# Allegro board SG2042_EVB_V2_0.brd (continued)
## Routing (per net, layer and track width the routed paths; a pad name or vN(x,y) marks a point on that pad's centre or on a via; arc(x,y) is an arc through that point) (continued)
  ART03 w0.102: v1(18.16,278.38) 19.02,279.25 19.02,282.35 17.25,284.12 17.25,287.77 21.53,292.06 21.68,292.06 22.07,291.66 22.22,291.66 22.36,291.81 22.36,291.95 21.96,292.35 21.96,292.49 22.11,292.64 22.25,292.64 22.65,292.24 22.79,292.24 22.94,292.38 22.94,292.53 22.54,292.92 22.54,293.07 22.79,293.32 36.91,293.32 38.01,294.41 70.41,294.41 113.75,251.07 v1(113.75,249.05)
SDIO_PWR_EN: length 126.4
  TOP w0.102: R52.1 v1(22.86,276.66) ; U1.D25 v1(112.75,246.05)
  ART03 w0.102: v1(112.75,246.05) 112.25,246.55 111.67,246.55 111.37,246.85 111.37,249.43 111.39,249.44 111.39,251.02 69.51,292.89 38.64,292.89 37.55,291.8 26.72,291.8 22.86,287.93 v1(22.86,276.66)
SDIO_RST_X: length 118
  TOP w0.102: U1.C25 v1(112.75,247.05) ; T7.1 v1(19.84,286.77)
  ART03 w0.102: v1(19.84,286.77) 21.34,286.77 26.62,292.05 37.44,292.05 38.53,293.14 69.88,293.14 112.12,250.91 112.12,249.44 112.14,249.42 112.14,247.66 v1(112.75,247.05)
SDIO_WP: length 118.2
  TOP w0.102: R41.1 v1(18.16,287.15) ; U1.A25 v1(112.75,249.05)
  ART03 w0.102: v1(18.16,287.15) 18.49,287.48 21.33,287.48 26.41,292.56 37.23,292.56 38.32,293.65 70.1,293.65 112.75,251 v1(112.75,249.05)
SI: length 14.6
  TOP w0.102: R12500.2 v1(144.25,58.39) ; R12502.2 v1(132.13,61.54)
  BOTTOM w0.102: v1(132.13,61.54) 132.74,60.93 141.71,60.93 v1(144.25,58.39)
SLOT1_3V3: length 9
  TOP w0.254: C5750.1 53.9,108.18 ; C5750.1 53.47,107.75 ; C5750.1 53.47,108.61
  TOP w0.381: J2033.B8 52.6,95.51 C5751.1 C5753.1 v1(52.6,93.7)
  TOP w0.686: J2033.A9 53.6,107.37 ; J2033.A10 54.6,107.37
  vias: v1(53.47,107.57) v1(54.03,107.57)
SLOT1_12V: length 10.8
  TOP w0.254: 47.27,108.18 C5747.1 ; C5747.1 47.7,108.61 ; C5747.1 47.7,107.75 ; C5746.1 47.7,95.94 ; C5746.1 47.27,95.5 ; C5746.1 47.7,95.07
  TOP w0.686: J2033.A3 47.6,107.37 ; J2033.B3 47.6,96.43 ; J2033.A2 46.6,107.37 ; J2033.B1 45.6,96.43 ; J2033.B2 46.6,96.43
  vias: v1(45.97,95.5) v1(46.53,107.57) v1(46.53,95.5) v1(47.09,107.57) v1(47.09,95.5) v1(47.65,107.57)
SLOT1_PCIE_CLK0_N: length 3.6
  TOP w0.081: R12938.2 60.54,108.19 R12879.2 60.22,107.84 60.22,107.45 60.6,107.07 J2033.A14
SLOT1_PCIE_CLK0_P: length 3.6
  TOP w0.081: J2033.A13 59.6,107.07 59.98,107.45 59.98,107.86 R12880.2 59.68,108.19 R12932.2
SLOT1_PCIE_RX0_N: length 100.1
  TOP w0.114: U3235.AC21 139.66,75.41
  TOP w0.381: J2033.A17 63.6,107.06 63.41,107.26
  ART12 w0.107: 139.66,75.41 139.66,75.16 139.23,74.73 134.34,74.73 132.38,76.68 109.73,76.68 97.62,88.79 68.96,88.79 63.72,94.03 63.72,101.7 63.22,102.2 63.22,107.07 63.41,107.26
SLOT1_PCIE_RX0_P: length 100.1
  TOP w0.114: U3235.AC22 139.66,74.61
  TOP w0.381: 62.8,107.26 62.6,107.06 J2033.A16
  ART12 w0.107: 139.66,74.61 139.54,74.49 134.24,74.49 132.29,76.45 109.63,76.45 97.53,88.55 68.86,88.55 63.48,93.93 63.48,101.6 62.98,102.1 62.98,107.07 62.8,107.26
SLOT1_PCIE_RX1_N: length 94.8
  TOP w0.114: U3235.AD19 138.06,77.01
  TOP w0.381: 68.4,107.26 68.6,107.06 J2033.A22
  ART12 w0.107: 68.4,107.26 68.22,107.07 68.22,94.03 72.42,89.83 98.06,89.83 110.16,77.72 132.82,77.72 134.72,75.82 135.76,75.82 136.11,76.17 136.51,76.17 arc(136.67,76.24) 136.74,76.4 arc(136.81,76.56) 136.97,76.63 136.98,76.63 arc(137.14,76.56) 137.21,76.4 arc(137.27,76.24) 137.43,76.17 137.9,76.17 138.45,76.73 138.45,76.91 138.35,77.01 138.06,77.01
SLOT1_PCIE_RX1_P: length 94.8
  TOP w0.114: U3235.AD20 138.86,77.01
  TOP w0.381: J2033.A21 67.6,107.06 67.8,107.26
  ART12 w0.107: 138.86,77.01 138.68,76.83 138.68,76.63 137.99,75.94 136.21,75.94 135.85,75.59 134.62,75.59 132.72,77.49 110.06,77.49 97.96,89.59 72.32,89.59 67.98,93.93 67.98,107.07 67.8,107.26
SLOT1_PCIE_RX2_N: length 89.9
  TOP w0.114: U3235.AC17 139.66,78.61
  TOP w0.381: 72.4,107.26 72.6,107.06 J2033.A26
  ART12 w0.107: 139.66,78.61 139.11,78.06 138.88,78.06 138.68,78.25 138.37,78.25 138.18,78.06 136.24,78.06 135.53,78.77 110.59,78.77 98.49,90.87 75.38,90.87 72.22,94.03 72.22,107.07 72.4,107.26
SLOT1_PCIE_RX2_P: length 89.9
  TOP w0.114: U3235.AC18 139.66,77.81
  TOP w0.381: 71.8,107.26 71.6,107.06 J2033.A25
  ART12 w0.107: 139.66,77.81 139.65,77.83 136.14,77.83 135.43,78.53 110.49,78.53 98.39,90.63 75.28,90.63 71.98,93.93 71.98,107.07 71.8,107.26
SLOT1_PCIE_RX3_N: length 85
  TOP w0.114: U3235.AD15 138.86,80.21
  TOP w0.381: 76.4,107.26 76.6,107.06 J2033.A30
  ART12 w0.107: 138.86,80.21 138.58,80.5 138.58,80.85 138.3,81.13 136.34,81.13 135.83,81.64 134.62,81.64 132.79,79.81 111.02,79.81 98.92,91.91 79.34,91.91 77.22,94.03 77.22,101.45 76.22,102.45 76.22,107.07 76.4,107.26
SLOT1_PCIE_RX3_P: length 85
  TOP w0.114: U3235.AD16 138.06,80.21
  TOP w0.381: J2033.A29 75.6,107.06 75.8,107.26
  ART12 w0.107: 75.8,107.26 75.98,107.07 75.98,102.35 76.98,101.35 76.98,93.93 79.24,91.68 98.82,91.68 110.93,79.57 132.89,79.57 134.72,81.41 135.74,81.41 136.25,80.9 138.2,80.9 138.35,80.75 138.35,80.5 138.06,80.21
SLOT1_PCIE_TX0_N: length 87
  TOP w0.114: U3235.AE21 138.06,75.41
  TOP w0.254: C5756.2 61.4,94.74
  ART05 w0.107: 61.4,94.74 61.22,94.55 61.22,94.03 66.98,88.27 97.41,88.27 109.02,76.66 132.88,76.66 133.7,75.84 135.78,75.84 136.27,76.33 137.54,76.33 137.78,76.09 137.78,75.7 138.06,75.41
SLOT1_PCIE_TX0_P: length 87
  TOP w0.114: U3235.AE22 137.26,75.41
  TOP w0.254: C5766.2 60.79,94.74
  ART05 w0.107: 60.79,94.74 60.98,94.55 60.98,93.93 66.89,88.03 97.31,88.03 108.92,76.42 132.79,76.42 133.6,75.61 135.88,75.61 136.36,76.1 137.44,76.1 137.55,75.99 137.55,75.7 137.26,75.41
SLOT1_PCIE_TX1_N: length 79.6
  TOP w0.114: 135.08,77.32 135.26,77.13 136.58,77.13 U3235.AF19
  TOP w0.254: C5772.2 66.4,94.74
  ART05 w0.107: 66.4,94.74 66.22,94.55 66.22,94.03 66.6,93.65 arc(66.72,93.6) 66.84,93.65 arc(66.96,93.7) 67.08,93.65 67.18,93.54 arc(67.23,93.42) 67.18,93.3 arc(67.14,93.18) 67.18,93.06 70.94,89.31 97.84,89.31 109.45,77.7 133.32,77.7 133.88,77.13 134.89,77.13 135.08,77.32
SLOT1_PCIE_TX1_P: length 79.6
  TOP w0.114: U3235.AF20 136.58,76.89 135.26,76.89 135.08,76.71
  TOP w0.254: C5759.2 65.8,94.74
  ART05 w0.107: 135.08,76.71 134.89,76.9 133.79,76.9 133.22,77.46 109.35,77.46 97.74,89.07 70.84,89.07 65.98,93.93 65.98,94.55 65.8,94.74
SLOT1_PCIE_TX2_N: length 76.9
  TOP w0.114: U3235.AE17 137.66,79.01 138.06,78.61
  TOP w0.254: C5779.2 70.4,94.74
  ART05 w0.107: 138.06,78.61 137.78,78.9 137.78,79.29 137.54,79.53 136.27,79.53 135.48,78.74 109.88,78.74 98.27,90.35 73.9,90.35 70.22,94.03 70.22,94.55 70.4,94.74
SLOT1_PCIE_TX2_P: length 76.9
  TOP w0.114: U3235.AE18 137.26,78.61
  TOP w0.254: C5778.2 69.8,94.74
  ART05 w0.107: 69.8,94.74 69.98,94.55 69.98,93.93 73.8,90.11 98.18,90.11 109.78,78.51 135.57,78.51 136.36,79.3 137.44,79.3 137.55,79.19 137.55,78.9 137.26,78.61
SLOT1_PCIE_TX3_N: length 70.7
  TOP w0.114: U3235.AF15 136.58,80.33 135.26,80.33 135.08,80.52
  TOP w0.254: C5783.2 74.4,94.74
  ART05 w0.107: 135.08,80.52 134.89,80.33 133.79,80.33 133.24,79.78 110.31,79.78 98.7,91.39 76.86,91.39 75.18,93.06 arc(75.14,93.18) 75.18,93.3 arc(75.23,93.42) 75.18,93.54 75.08,93.65 arc(74.96,93.7) 74.84,93.65 arc(74.72,93.6) 74.6,93.65 74.22,94.03 74.22,94.55 74.4,94.74
SLOT1_PCIE_TX3_P: length 70.7
  TOP w0.114: U3235.AF16 136.58,80.09 135.26,80.09 135.08,79.91
  TOP w0.254: C5782.2 73.8,94.74
  ART05 w0.107: 73.8,94.74 73.98,94.55 73.98,93.93 76.76,91.16 98.61,91.16 110.22,79.55 133.33,79.55 133.88,80.1 134.89,80.1 135.08,79.91
SLOT1_SCL: length 84.5
  TOP w0.102: R12700.2 v1(109.42,67.64) ; J2033.B5 v1(49.6,96.54)
  ART03 w0.102: v1(49.6,96.54) 50.4,95.75 50.4,95.37 51.84,93.93 51.84,81.31 54.1,79.04 54.1,75.11 56.08,73.13 58.33,73.13 59.53,71.93 105.13,71.93 v1(109.42,67.64)
  BOTTOM w0.102: R12700.2 v1(109.42,67.64)
SLOT1_SDA: length 83.5
  TOP w0.102: J2033.B6 v1(50.6,96.54) ; R12701.2 v1(109.42,68.5)
  ART03 w0.102: v1(50.6,96.54) 50.6,95.46 52.04,94.01 52.04,81.39 54.31,79.13 54.31,75.19 56.17,73.33 58.42,73.33 59.61,72.14 105.79,72.14 v1(109.42,68.5)
  BOTTOM w0.102: R12701.2 v1(109.42,68.5)
SLOT2_3V3: length 9
  TOP w0.254: 53.47,67.11 C5762.1 ; C5762.1 53.9,67.54 ; C5762.1 53.47,67.97
  TOP w0.381: v1(52.6,53.06) C5765.1 C5763.1 52.6,54.87 J2034.B8
  TOP w0.686: J2034.A10 54.6,66.73 ; J2034.A9 53.6,66.73
  vias: v1(53.47,66.93) v1(54.03,66.93)
SLOT2_12V: length 10.8
  TOP w0.254: C5754.1 47.7,55.3 ; C5754.1 47.7,54.43 ; C5754.1 47.27,54.86 ; C5755.1 47.7,67.97 ; C5755.1 47.27,67.54 ; C5755.1 47.7,67.11
  TOP w0.686: J2034.B3 47.6,55.79 ; J2034.B1 45.6,55.79 ; J2034.A2 46.6,66.73 ; J2034.B2 46.6,55.79 ; J2034.A3 47.6,66.73
  vias: v1(45.97,54.86) v1(46.53,66.93) v1(46.53,54.86) v1(47.09,66.93) v1(47.09,54.86) v1(47.65,66.93)
SLOT2_PCIE_CLK3_N: length 3.6
  TOP w0.081: J2034.A14 60.6,66.43 60.22,66.81 60.22,67.2 R12881.2 60.54,67.55 R12934.2
SLOT2_PCIE_CLK3_P: length 3.6
  TOP w0.081: J2034.A13 59.6,66.43 59.98,66.81 59.98,67.22 R12882.2 59.68,67.55 R12931.2
SLOT2_PCIE_RX8_N: length 99.2
  TOP w0.114: U3235.P23 146.06,74.61
  TOP w0.381: J2034.A17 63.6,66.42 63.41,66.62
  ART12 w0.107: 63.41,66.62 63.22,66.43 63.22,66 64.62,64.59 98.63,64.59 104.03,59.19 122.89,59.19 127.18,63.47 140.33,63.47 144.48,67.62 arc(144.55,67.79) 144.48,67.96 144.3,68.14 arc(144.3,68.49) 144.64,68.49 144.82,68.31 arc(144.99,68.23) 145.17,68.31 145.95,69.09 145.95,74.5 146.06,74.61
SLOT2_PCIE_RX8_P: length 99.2
  TOP w0.114: U3235.N23 146.86,74.61
  TOP w0.381: J2034.A16 62.6,66.42 62.8,66.62
  ART12 w0.107: 62.8,66.62 62.98,66.43 62.98,65.9 64.52,64.36 98.53,64.36 103.94,58.95 122.99,58.95 127.27,63.24 140.43,63.24 146.18,68.99 146.18,74.03 146.76,74.61 146.86,74.61
SLOT2_PCIE_RX9_N: length 90.4
  TOP w0.114: U3235.T24 145.26,73.81
  TOP w0.381: 68.4,66.62 68.6,66.42 J2034.A22
  ART12 w0.107: 145.26,73.81 144.35,72.9 144.35,71.31 143.17,70.14 143.17,69.34 143.08,69.25 142.99,69.16 142.99,68.85 143.08,68.75 143.17,68.66 143.17,67.79 139.9,64.52 126.75,64.52 122.46,60.23 104.47,60.23 99.06,65.63 68.58,65.63 68.22,66 68.22,66.43 68.4,66.62
SLOT2_PCIE_RX9_P: length 90.4
  TOP w0.114: U3235.R24 145.26,73.01
  TOP w0.381: J2034.A21 67.6,66.42 67.8,66.62
  ART12 w0.107: 67.8,66.62 67.98,66.43 67.98,65.9 68.48,65.4 98.96,65.4 104.37,59.99 122.56,59.99 126.84,64.28 140,64.28 143.41,67.69 143.41,70.04 144.58,71.22 144.58,72.8 144.79,73.01 145.26,73.01
SLOT2_PCIE_TX8_N: length 100.4
  TOP w0.114: U3235.P25 146.86,73.01
  TOP w0.254: C5768.2 61.4,54.1
  ART05 w0.107: 146.86,73.01 146.86,72.84 146.76,72.73 146.31,72.73 145.95,72.36 145.95,67.08 134.75,55.89 89.21,55.89 85.22,51.89 62.72,51.89 62.21,52.4 arc(62.16,52.52) 62.21,52.64 arc(62.26,52.76) 62.21,52.88 62.1,52.98 arc(61.98,53.03) 61.86,52.98 arc(61.74,52.93) 61.62,52.98 61.22,53.39 61.22,53.91 61.4,54.1
SLOT2_PCIE_TX8_P: length 100.4
  TOP w0.114: U3235.N25 146.86,72.21
  TOP w0.254: C5767.2 60.79,54.1
  ART05 w0.107: 60.79,54.1 60.98,53.91 60.98,53.29 62.62,51.66 85.31,51.66 89.31,55.65 134.85,55.65 146.18,66.98 146.18,72.27 146.41,72.5 146.76,72.5 146.86,72.39 146.86,72.21
SLOT2_PCIE_TX9_N: length 91.6
  TOP w0.114: U3235.T26 145.01,71.67 arc(145.11,71.52) 145.14,71.35 145.14,71.26 arc(145.12,71.14) 145.05,71.03 144.73,70.72 arc(144.61,70.53) 144.56,70.31 144.56,69.75 arc(144.54,69.64) 144.48,69.54 144.38,69.44
  TOP w0.254: C5773.2 66.4,54.1
  ART05 w0.107: 144.38,69.44 144.57,69.26 144.57,67.17 134.32,56.93 88.78,56.93 84.78,52.93 68.35,52.93 arc(68.18,53.01) 68.11,53.18 68.11,53.29 arc(67.86,53.53) 67.62,53.29 67.62,53.18 arc(67.55,53.01) 67.38,52.93 66.67,52.93 66.22,53.39 66.22,53.91 66.4,54.1
SLOT2_PCIE_TX9_P: length 91.6
  TOP w0.114: 144.99,69.44 144.89,69.54 arc(144.83,69.64) 144.81,69.75 144.81,70.31 arc(144.83,70.44) 144.9,70.55 145.22,70.86 arc(145.34,71.04) 145.38,71.26 145.38,71.35 arc(145.42,71.52) 145.52,71.67 U3235.R26
  TOP w0.254: C5771.2 65.8,54.1
  ART05 w0.107: 65.8,54.1 65.98,53.91 65.98,53.29 66.58,52.7 84.88,52.7 88.87,56.69 134.42,56.69 144.8,67.08 144.8,69.26 144.99,69.44
SLOT2_SCL: length 71.1
  TOP w0.102: J2034.B5 v1(49.6,55.9) ; R12702.2 v1(109.42,65.91)
  BOTTOM w0.102: v1(49.6,55.9) 50.4,55.11 50.4,54.75 50.93,54.22 50.93,52.75 51.73,51.94 95.45,51.94 v1(109.42,65.91) R12702.2
SLOT2_SDA: length 70.7
  TOP w0.102: J2034.B6 v1(50.6,55.9) ; R12703.2 v1(109.42,66.78)
  BOTTOM w0.102: R12703.2 v1(109.42,66.78) 94.79,52.15 51.82,52.15 51.13,52.83 51.13,54.31 50.6,54.84 v1(50.6,55.9)
SLOT3_PCIE_CLK4_N: length 5.2
  TOP w0.081: U3241.5 22.56,153.39 22.47,153.47 21.33,153.47 20.14,154.66 19.76,154.66 R12908.2 18.57,154.33 R13028.2
SLOT3_PCIE_CLK4_P: length 5.2
  TOP w0.081: R13027.2 18.57,155.22 R12909.2 19.76,154.89 20.24,154.89 21.43,153.71 22.47,153.71 22.56,153.79 U3241.4
SLOT3_PCIE_RX10_N: length 201.2
  TOP w0.114: C5913.2 20.59,152.28 19.56,152.28 19.38,152.1 ; U3235.C11 154.86,83.41
  ART05 w0.107: 19.38,152.1 19.19,152.28 18.91,152.28 18.72,152.1 18.72,149.81 18.01,149.1 18.01,134.42 31.35,121.08 53.12,121.08 59.77,114.43 83.59,114.43 103.1,94.92 113.56,94.92 118.36,99.73 134.7,99.73 137.67,96.75 154.66,96.75 155.93,95.48 158.29,95.48 159.8,93.98 159.8,86 160.71,85.09 160.71,83.44 159.76,82.49 155.48,82.49 155.15,82.83 155.15,83.31 155.04,83.41 154.86,83.41
SLOT3_PCIE_RX10_P: length 201.2
  TOP w0.114: 19.38,152.7 19.56,152.52 20.59,152.52 C5909.2 ; U3235.C12 155.66,83.41
  ART05 w0.107: 19.38,152.7 19.19,152.52 18.81,152.52 18.49,152.2 18.49,149.91 17.77,149.19 17.77,134.33 31.25,120.85 53.02,120.85 59.67,114.2 83.5,114.2 103,94.69 113.66,94.69 118.46,99.49 134.6,99.49 137.57,96.52 154.56,96.52 155.83,95.25 158.19,95.25 159.56,93.88 159.56,85.9 160.48,84.99 160.48,83.54 159.66,82.73 158.46,82.73 arc(158.34,82.78) 158.29,82.9 arc(158.24,83.02) 158.12,83.07 157.97,83.07 arc(157.85,83.02) 157.8,82.9 arc(157.75,82.78) 157.63,82.73 155.57,82.73 155.38,82.92 155.38,83.31 155.49,83.41 155.66,83.41
SLOT3_PCIE_TX10_N: length 197.2
  TOP w0.114: U3235.A11 157.14,83.53 157.45,83.53 158.49,84.58 158.92,84.58 159.11,84.76 ; 17.4,150.88 17.58,151.06 20.59,151.06 C5911.1
  ART05 w0.107: 159.11,84.76 158.92,84.57 158.58,84.57 158.37,84.79 158.37,85.68 arc(158.42,85.8) 158.54,85.85 arc(158.66,85.9) 158.71,86.02 158.71,86.17 arc(158.66,86.29) 158.54,86.34 arc(158.42,86.39) 158.37,86.51 158.37,86.66 arc(158.42,86.78) 158.54,86.83 arc(158.66,86.88) 158.71,87 158.71,87.15 arc(158.66,87.27) 158.54,87.32 arc(158.42,87.37) 158.37,87.49 158.37,93.37 157.68,94.06 138.35,94.06 134.11,98.3 118.95,98.3 114.15,93.5 102.51,93.5 83,113.01 59.18,113.01 58.06,114.13 36.29,114.13 16.59,133.83 16.59,150.83 16.82,151.06 17.21,151.06 17.4,150.88
SLOT3_PCIE_TX10_P: length 197.2
  TOP w0.114: 17.4,151.49 17.58,151.3 20.59,151.3 C5914.1 ; U3235.A12 157.14,83.29 157.55,83.29 158.59,84.33 158.92,84.33 159.11,84.15
  ART05 w0.107: 17.4,151.49 17.21,151.3 16.73,151.3 16.35,150.92 16.35,133.74 36.2,113.89 57.96,113.89 59.08,112.78 82.91,112.78 102.41,93.27 114.25,93.27 119.05,98.07 134.01,98.07 138.25,93.83 157.58,93.83 158.14,93.27 158.14,84.69 158.49,84.34 158.92,84.34 159.11,84.15
SLOT3_SCL: length 68.2
  TOP w0.102: R12704.2 v1(109.42,64.19) ; J2046.B5 v1(49.6,76.62)
  ART03 w0.102: v1(109.42,64.19) 102.08,71.53 59.36,71.53 58.17,72.72 52.45,72.72 50.4,74.77 50.4,75.83 v1(49.6,76.62)
  BOTTOM w0.102: R12704.2 v1(109.42,64.19)
SLOT3_SDA: length 67.2
  TOP w0.102: R12705.2 v1(109.42,65.05) ; J2046.B6 v1(50.6,76.62)
  ART03 w0.102: v1(50.6,76.62) 50.6,74.86 52.54,72.92 58.25,72.92 59.44,71.73 102.74,71.73 v1(109.42,65.05)
  BOTTOM w0.102: R12705.2 v1(109.42,65.05)
SLOT4_PCIE_CLK5_N: length 5.3
  TOP w0.081: R12936.2 228.59,66.84 R12906.2 228.27,67.18 228.27,68.03 227.04,69.26 226.4,69.26 226.27,69.4 U3237.27
SLOT4_PCIE_CLK5_P: length 4.9
  TOP w0.081: R12935.2 227.72,66.84 227.71,66.85 228.04,67.18 228.04,67.93 226.94,69.03 226.4,69.03 226.27,68.9 U3237.26
SLOT4_PCIE_RX11_N: length 114.2
  TOP w0.114: U3235.V23 v1(142.86,74.61) ; C5835.1 v1(230.25,74.19)
  BOTTOM w0.114: v1(142.86,74.61) 142.79,74.55 arc(142.76,74.49) 142.74,74.42 142.74,71 arc(142.79,70.76) 142.92,70.56 143,70.48 arc(143.09,70.35) 143.12,70.2 143.12,69.34 arc(143.3,68.4) 143.83,67.61 143.88,67.56 arc(144.71,67.01) 145.69,66.81 151.9,66.81 arc(155.27,66.14) 158.14,64.23 158.39,63.98 arc(161.53,61.88) 165.24,61.14 227.62,61.14 arc(230.52,61.71) 232.98,63.36 233.58,63.96 arc(234.18,64.86) 234.39,65.92 234.39,72.06 arc(234.34,72.33) 234.19,72.56 232.9,73.85 arc(232.71,73.97) 232.5,74.01 230.55,74.01 arc(230.44,74.03) 230.35,74.09 v1(230.25,74.19)
SLOT4_PCIE_RX11_P: length 114.3
  TOP w0.114: C5834.1 v1(230.25,73.58) ; U3235.U23 v1(143.66,74.61)
  BOTTOM w0.114: v1(143.66,74.61) 143.32,74.27 arc(143.07,73.9) 142.98,73.47 142.98,71 arc(143.01,70.85) 143.09,70.73 143.17,70.65 arc(143.31,70.45) 143.36,70.2 143.36,69.34 arc(143.53,68.5) 144,67.78 144.05,67.73 arc(144.8,67.23) 145.69,67.06 151.9,67.06 arc(155.37,66.37) 158.31,64.4 158.56,64.15 arc(161.63,62.1) 165.24,61.38 227.62,61.38 arc(230.43,61.94) 232.81,63.53 233.41,64.13 arc(233.96,64.95) 234.15,65.92 234.15,72.06 arc(234.12,72.24) 234.02,72.38 233.79,72.61 arc(233.57,72.7) 233.35,72.61 233.26,72.52 arc(232.82,72.52) 232.82,72.96 232.91,73.05 arc(233,73.27) 232.91,73.49 232.72,73.68 arc(232.62,73.74) 232.5,73.77 230.55,73.77 arc(230.44,73.75) 230.35,73.68 v1(230.25,73.58)
SLOT4_PCIE_TX11_N: length 105
  TOP w0.114: C5833.2 v1(230.25,72.57) ; U3235.V25 143.26,72.61 v1(143.66,72.21)
  BOTTOM w0.114: v1(143.66,72.21) 143.89,72.44 arc(143.95,72.48) 144.01,72.49 144.08,72.49 arc(144.1,72.49) 144.12,72.48 144.22,72.38 arc(144.29,72.28) 144.31,72.16 144.31,72.09 arc(144.35,71.9) 144.45,71.74 145.94,70.26 arc(146.11,70.01) 146.16,69.71 146.16,69.6 arc(146.24,69.22) 146.46,68.9 146.59,68.76 arc(147.05,68.46) 147.58,68.35 152.65,68.35 arc(155.94,67.7) 158.73,65.83 158.98,65.58 arc(162.06,63.52) 165.68,62.8 211.03,62.8 arc(212.52,63.1) 213.79,63.95 214.3,64.45 arc(215.49,65.25) 216.9,65.53 222.9,65.53 arc(224.52,65.21) 225.89,64.29 226.49,63.69 arc(227.24,63.19) 228.11,63.02 228.74,63.02 arc(230.17,63.3) 231.38,64.11 232.36,65.09 arc(232.63,65.5) 232.73,65.98 232.73,70.39 arc(232.58,71.15) 232.15,71.79 231.97,71.96 arc(231.51,72.27) 230.96,72.38 230.55,72.38 arc(230.44,72.41) 230.35,72.47 v1(230.25,72.57)
SLOT4_PCIE_TX11_P: length 105
  TOP w0.114: C5832.2 v1(230.25,71.96) ; U3235.U25 v1(143.66,73.01)
  BOTTOM w0.114: v1(230.25,71.96) 230.35,72.06 arc(230.44,72.12) 230.55,72.14 230.96,72.14 arc(231.41,72.05) 231.8,71.79 231.98,71.62 arc(232.35,71.05) 232.49,70.39 232.49,67.71 arc(232.39,67.49) 232.17,67.4 232.15,67.4 arc(231.84,67.09) 232.15,66.78 232.17,66.78 arc(232.39,66.69) 232.49,66.47 232.49,65.98 arc(232.41,65.59) 232.19,65.26 231.21,64.29 arc(230.08,63.53) 228.74,63.26 228.11,63.26 arc(227.33,63.42) 226.66,63.86 226.06,64.46 arc(224.61,65.43) 222.9,65.77 216.9,65.77 arc(215.4,65.47) 214.13,64.62 213.62,64.12 arc(212.43,63.32) 211.03,63.04 165.68,63.04 arc(162.15,63.75) 159.16,65.75 158.9,66 arc(156.03,67.92) 152.65,68.59 147.58,68.59 arc(147.14,68.68) 146.76,68.93 146.63,69.07 arc(146.46,69.31) 146.41,69.6 146.41,69.71 arc(146.33,70.1) 146.11,70.43 144.62,71.91 arc(144.57,71.99) 144.55,72.09 144.55,72.16 arc(144.51,72.37) 144.39,72.55 144.29,72.65 arc(144.19,72.71) 144.08,72.73 144.06,72.73 arc(143.95,72.76) 143.86,72.82 v1(143.66,73.01)
SLOT4_SCL: length 116.1
  TOP w0.102: J1104.B5 v1(49.6,117.26) ; R12706.2 v1(113.89,61.44)
  ART03 w0.102: v1(113.89,61.44) 113.51,61.06 111.99,61.06 110.01,63.04 110.01,68.86 106.53,72.34 59.7,72.34 58.5,73.53 56.25,73.53 54.51,75.28 54.51,79.21 52.25,81.47 52.25,91.6 53.06,92.41 53.06,103.52 50.4,106.19 50.4,116.47 v1(49.6,117.26)
  BOTTOM w0.102: R12706.2 v1(113.89,61.44)
SLOT4_SDA: length 114.3
  TOP w0.102: R12707.2 v1(113.03,61.44) ; J1104.B6 v1(50.6,117.26)
  ART03 w0.102: v1(50.6,117.26) 50.6,106.27 53.26,103.61 53.26,92.5 53.26,92.33 52.45,91.52 52.45,81.56 54.71,79.3 54.71,75.36 56.34,73.74 58.42,73.74 58.42,73.74 58.59,73.74 59.78,72.54 106.61,72.54 110.21,68.94 110.21,63.14 111.91,61.44 v1(113.03,61.44)
  BOTTOM w0.102: R12707.2 v1(113.03,61.44)
SLOT5_PCIE_CLK0_N: length 9.9
  TOP w0.081: R12944.2 145.62,46 150.93,46 R12887.2 151.58,46 151.82,46 151.95,45.86 151.95,45.33 152.46,44.82 152.89,44.82 153.02,44.69 J2030.53
SLOT5_PCIE_CLK0_P: length 9.9
  TOP w0.081: J2030.55 153.02,45.19 152.89,45.06 152.56,45.06 152.19,45.43 152.19,45.96 151.91,46.23 151.58,46.23 R12888.2 150.93,46.23 145.62,46.23 R12943.2
SLOT5_PCIE_RX0_N: length 42.7
  TOP w0.114: 145.59,41.64 145.78,41.82 152.88,41.82 153.01,41.69 J2030.41 ; U3235.L24 148.46,73.01
  ART03 w0.124: 148.46,73.01 148.17,73.01 arc(148.03,72.99) 147.91,72.91 147.89,72.89 arc(147.82,72.77) 147.79,72.64 147.79,71.96 arc(147.64,71.24) 147.24,70.62 147.07,70.46 arc(146.78,70.03) 146.68,69.52 146.68,68.76 arc(146.76,68.57) 146.95,68.49 146.97,68.49 arc(147.24,68.22) 146.97,67.95 146.95,67.95 arc(146.76,67.87) 146.68,67.68 146.68,42.34 arc(146.53,41.97) 146.15,41.81 145.89,41.81 arc(145.78,41.79) 145.69,41.73 145.59,41.64
SLOT5_PCIE_RX0_P: length 42.7
  TOP w0.114: J2030.43 153.01,42.19 152.88,42.06 145.78,42.06 145.59,42.24 ; U3235.M24 148.46,73.81
  ART03 w0.124: 148.46,73.81 147.71,73.07 arc(147.58,72.87) 147.54,72.64 147.54,71.96 arc(147.41,71.33) 147.06,70.8 146.89,70.64 arc(146.55,70.13) 146.43,69.52 146.43,44.1 arc(146.38,43.97) 146.26,43.92 arc(146.14,43.87) 146.09,43.75 146.09,43.56 arc(146.14,43.44) 146.26,43.39 arc(146.38,43.34) 146.43,43.21 146.43,42.34 arc(146.35,42.15) 146.15,42.07 145.89,42.07 arc(145.78,42.09) 145.69,42.15 145.59,42.24
SLOT5_PCIE_RX1_N: length 47.3
  TOP w0.114: J2030.29 153.01,38.69 152.88,38.82 145.78,38.82 145.59,38.64 ; U3235.J23 150.06,74.61
  ART03 w0.124: 145.59,38.64 145.69,38.73 arc(145.78,38.79) 145.89,38.81 146,38.81 arc(146.24,38.86) 146.44,39 147.6,40.16 arc(147.74,40.36) 147.78,40.6 147.78,66.63 arc(147.81,66.77) 147.89,66.89 149.46,68.45 arc(149.59,68.66) 149.64,68.89 149.64,70.44 arc(149.61,70.6) 149.52,70.73 149.43,70.82 arc(149.4,70.87) 149.39,70.93 149.39,73.89 arc(149.43,74.11) 149.56,74.3 149.74,74.48 arc(149.89,74.58) 150.06,74.61
SLOT5_PCIE_RX1_P: length 47.3
  TOP w0.114: J2030.31 153.01,39.19 152.88,39.06 145.78,39.06 145.59,39.24 ; U3235.K23 149.26,74.61
  ART03 w0.124: 149.26,74.61 149.19,74.54 arc(149.15,74.48) 149.14,74.41 149.14,70.93 arc(149.17,70.77) 149.26,70.64 149.34,70.55 arc(149.37,70.5) 149.39,70.44 149.39,68.89 arc(149.36,68.75) 149.28,68.63 149.13,68.48 149,68.48 148.87,68.48 148.64,68.25 148.64,68.12 148.64,68 148.41,67.77 148.28,67.77 148.16,67.77 147.93,67.53 147.93,67.41 147.93,67.28 147.72,67.07 arc(147.58,66.87) 147.53,66.63 147.53,40.6 arc(147.51,40.46) 147.42,40.34 147.15,40.06 arc(147.03,40.01) 146.9,40.06 arc(146.78,40.11) 146.66,40.06 146.53,39.92 arc(146.47,39.8) 146.53,39.68 arc(146.58,39.56) 146.52,39.44 146.26,39.17 arc(146.14,39.09) 146,39.07 145.89,39.07 arc(145.78,39.09) 145.69,39.15 145.59,39.24
SLOT5_PCIE_RX2_N: length 49.9
  TOP w0.114: U3235.G24 151.66,73.01 ; J2030.17 153.01,35.69 152.88,35.82 145.78,35.82 145.59,35.64
  ART03 w0.124: 151.66,73.01 151.38,73.01 arc(151.23,72.98) 151.11,72.9 151.05,72.84 arc(150.99,72.76) 150.98,72.67 150.98,70.9 arc(150.95,70.76) 150.86,70.63 150.78,70.55 arc(150.75,70.5) 150.74,70.45 150.74,68.42 arc(150.69,68.18) 150.56,67.98 150.2,67.62 arc(150.12,67.43) 150.2,67.24 150.2,67.23 arc(150.2,66.85) 149.83,66.85 149.82,66.86 arc(149.63,66.94) 149.44,66.86 149,66.42 arc(148.92,66.3) 148.89,66.16 148.89,39.55 arc(148.68,38.53) 148.11,37.66 146.44,36 arc(146.24,35.86) 146,35.81 145.89,35.81 arc(145.78,35.79) 145.69,35.73 145.59,35.64
SLOT5_PCIE_RX2_P: length 49.9
  TOP w0.114: U3235.H24 151.66,73.81 ; 145.59,36.24 145.78,36.06 152.88,36.06 153.01,36.19 J2030.19
  ART03 w0.124: 145.59,36.24 145.69,36.15 arc(145.78,36.09) 145.89,36.07 146,36.07 arc(146.14,36.09) 146.26,36.17 146.52,36.44 arc(146.58,36.56) 146.53,36.68 arc(146.47,36.8) 146.53,36.92 146.66,37.06 arc(146.78,37.11) 146.9,37.06 arc(147.03,37.01) 147.15,37.06 147.93,37.84 arc(148.45,38.62) 148.64,39.55 148.64,66.16 arc(148.68,66.4) 148.82,66.6 150.31,68.09 arc(150.44,68.29) 150.49,68.53 150.49,70.45 arc(150.52,70.6) 150.6,70.73 150.68,70.81 arc(150.71,70.85) 150.72,70.9 150.72,72.67 arc(150.76,72.86) 150.87,73.02 151.66,73.81
SLOT5_PCIE_RX3_N: length 54.9
  TOP w0.114: 145.59,32.64 145.78,32.82 152.88,32.82 153.01,32.69 J2030.5 ; U3235.E23 153.26,74.61
  ART03 w0.124: 145.59,32.64 145.69,32.73 arc(145.78,32.79) 145.89,32.81 146,32.81 arc(146.24,32.86) 146.44,33 148.66,35.22 arc(149.64,36.69) 149.99,38.42 149.99,64.09 arc(150.17,65) 150.69,65.78 153.04,68.13 arc(153.45,68.74) 153.59,69.46 153.59,69.56 arc(153.46,70.22) 153.09,70.78 153.01,70.86 arc(152.69,71.34) 152.58,71.91 152.58,73.77 arc(152.64,74.09) 152.82,74.36 152.94,74.48 arc(153.09,74.58) 153.26,74.61 153.26,74.61
SLOT5_PCIE_RX3_P: length 54.9
  TOP w0.114: 145.59,33.24 145.78,33.06 152.88,33.06 153.01,33.19 J2030.7 ; U3235.F23 152.46,74.61
  ART03 w0.124: 152.46,74.61 152.38,74.54 arc(152.34,74.47) 152.32,74.39 152.32,71.91 arc(152.46,71.24) 152.83,70.68 152.91,70.6 arc(153.23,70.12) 153.34,69.56 153.34,69.46 arc(153.22,68.84) 152.86,68.31 152.58,68.02 152.45,68.02 152.33,68.02 152.1,67.79 152.1,67.66 152.1,67.54 151.86,67.31 151.74,67.31 151.61,67.31 151.38,67.08 151.38,66.95 151.38,66.83 150.51,65.96 arc(149.94,65.1) 149.74,64.09 149.74,38.42 arc(149.41,36.78) 148.49,35.4 147.15,34.06 arc(147.03,34.01) 146.9,34.06 arc(146.78,34.11) 146.66,34.06 146.53,33.92 arc(146.47,33.8) 146.53,33.68 arc(146.58,33.56) 146.52,33.44 146.26,33.17 arc(146.14,33.09) 146,33.07 145.89,33.07 arc(145.78,33.09) 145.69,33.15 145.59,33.24
